# Altium PCB SWDPort.PcbDoc
Units mm, origin at the board's own origin, x right, y up, seen from the top; angles counter-clockwise.
Board outline 20 x 35 mm, 2 copper layers (Top Layer, Bottom Layer); 5 components, 9 nets, 46 pads, 2 vias.
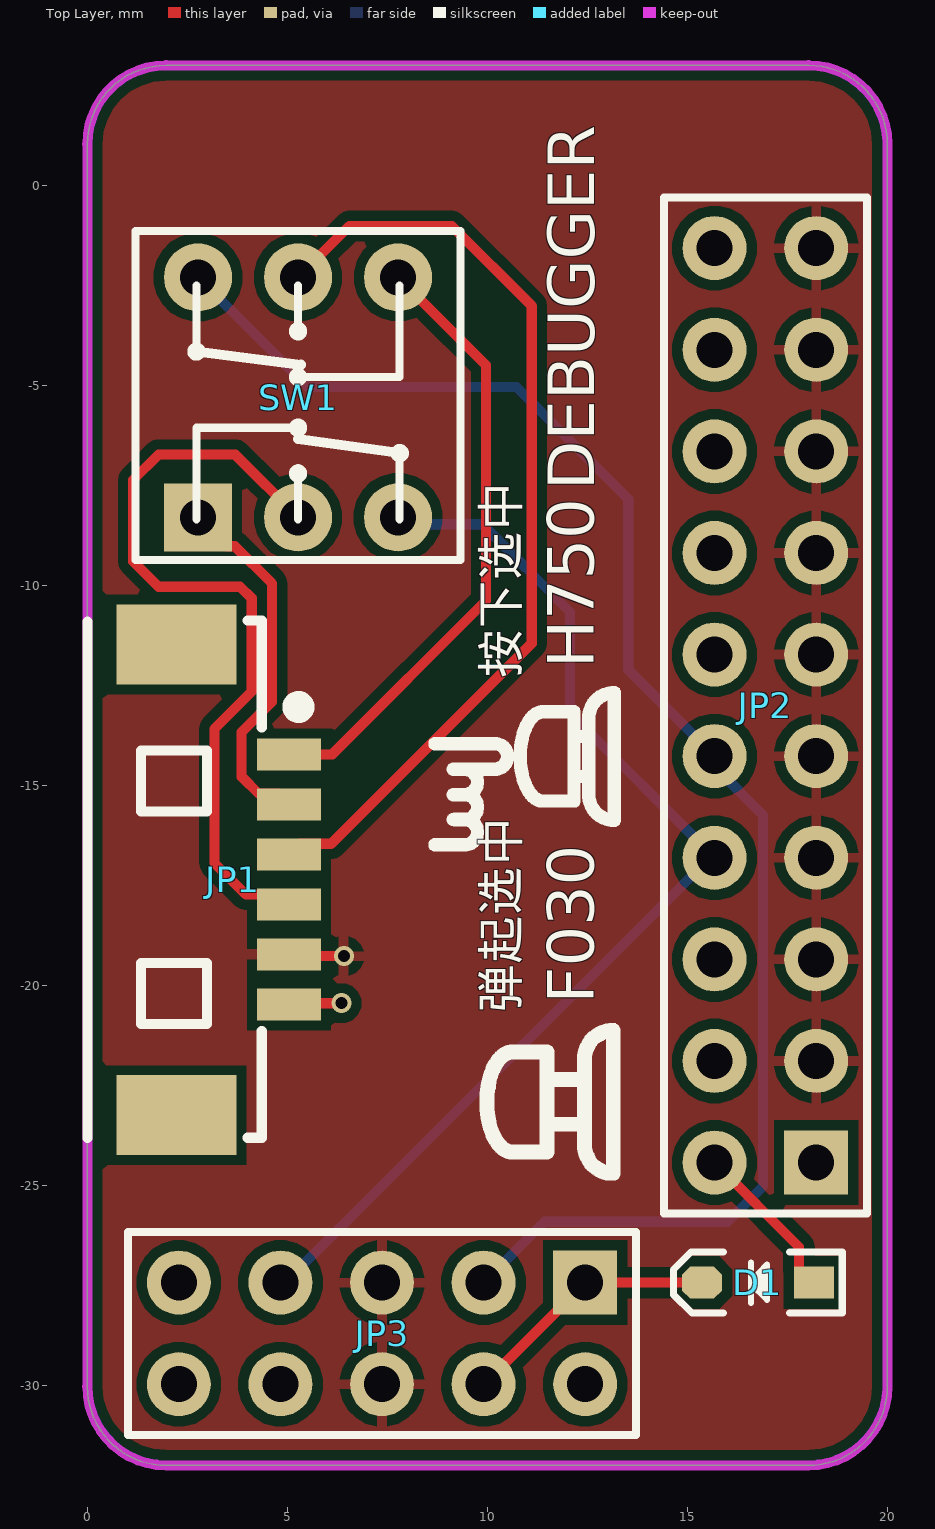
[diagram p0: Top Layer view]
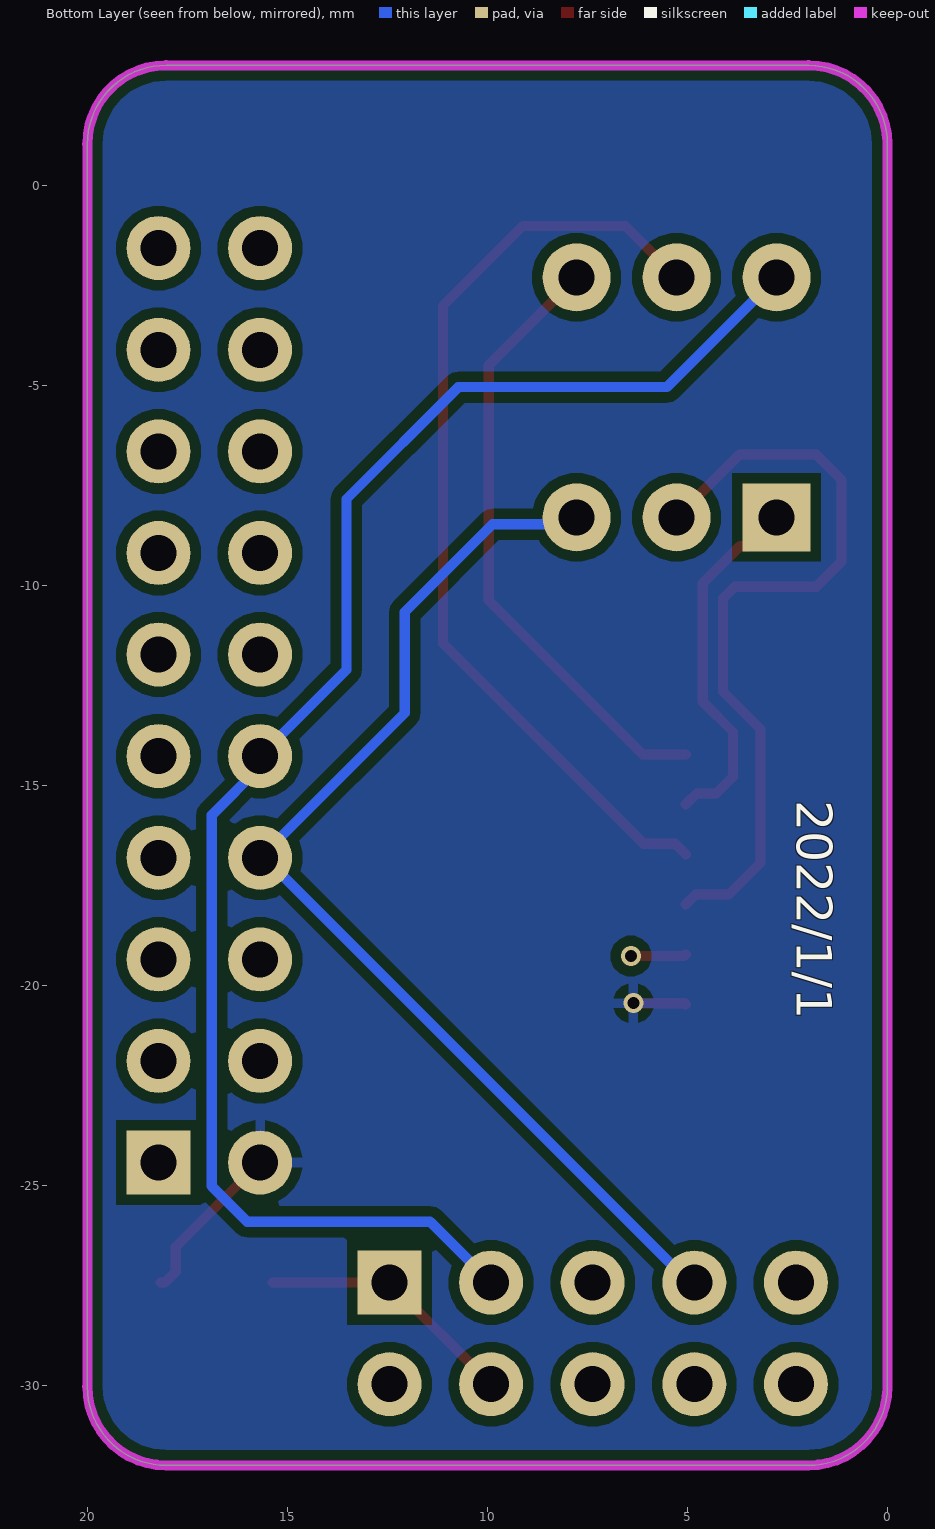
[diagram p1: Bottom Layer view, seen from below]

## Layer stack, top to bottom
Top Solder: solder mask 0.0102, Solder Resist, Dk 3.5
Top Layer: signal copper 0.0356
Dielectric 1: dielectric 0.32, FR-4, Dk 4.8
Bottom Layer: signal copper 0.0356
Bottom Solder: solder mask 0.0102, Solder Resist, Dk 3.5

## Board outline
-0.001,-30.031 ccw(c1.968,-30.031) 1.968,-32.001 18.032,-32 ccw(c18.032,-30.031) 20.001,-30.031 20,1.031 ccw(c18.031,1.032) 18.032,3.001 1.968,3 ccw(c1.968,1.031) -0.001,1.031

## Design rules (kind name [scope] priority, off if disabled: settings)
Clearance [All] p1: gap=0.254 ignorepadtopadclearanceinfootprint=FALSE except(0: Arc-Hole Track-Hole SMDPad-Hole THPad-Hole Via-Hole Fill-Hole Poly-Hole Region-Hole Text-Hole)
PolygonConnect [All] p1: connectstyle=Relief reliefconductorwidth=0.254 reliefentries=4 polygonreliefangle="90 Angle" airgapwidth=0.254
RoomDefinition SWDPort [InComponentClass('SWDPort')] p1: confinementstyle=ConfineIn formatcopy=TRUE lockcomponents=FALSE outline 89.088,-50.003 116.012,-50.003 116.012,-9.998 89.088,-9.998
RoutingVias [All] p1: holewidth=0.711 width=1.27 viastyle="Through Hole" minholewidth=0.711 minwidth=1.27 maxholewidth=0.711 maxwidth=1.27
SolderMaskExpansion [All] p1: expansion=0.102 istentingtop=FALSE
Width [All] p1: maxlimit=0.254 minlimit=0.254 preferedwidth=0.254
30 further rules are at their usual default settings.

## Components (designator, comment, footprint, x,y, rotation, side; value= is the part's Value field where it differs from the comment)
D1 "1N4148" SOD-323 16.764,-27.432 r180 top
JP1 "HDR-1X6" "MX 1.25-WS-6P" 2.228,-17.364 r270 top
JP2 "Header 2X10" HDR2.54-LI-2x10P 16.952,-13 r90 top
JP3 "Header 5X2" HDR2.54-LI-2x5P 7.366,-28.702 r180 top
SW1 "KET 8X8" "KFT DIP-8X8" 5.268,-5.299 r0 top

## Footprints (in the part's own frame and the unit in brackets; to place one, negate y for a bottom-side part, rotate by r counter-clockwise, add the part's x,y. Pads: shape width x height; smd on the part's side, far side on the other; paste and mask are expansions set on the pad)
HDR2.54-LI-2x5P [mm] "双排排针，5x2脚"
  rect 1.6x1.6 hole 0.9: 1(-5.08,-1.27)
  round 1.6 hole 0.9: 2(-5.08,1.27) 3(-2.54,-1.27) 4(-2.54,1.27) 5(0,-1.27) 6(0,1.27) 7(2.54,-1.27) 8(2.54,1.27) 9(5.08,-1.27) 10(5.08,1.27)
  silkscreen extent -6.35,-2.54 6.35,2.54, body extent -6.35,-2.54 6.35,2.54, height 8.5
HDR2.54-LI-2x10P [mm] "双排排针，10x2脚"
  rect 1.6x1.6 hole 0.9: 1(-11.43,-1.27)
  round 1.6 hole 0.9: 2(-11.43,1.27) 3(-8.89,-1.27) 4(-8.89,1.27) 5(-6.35,-1.27) 6(-6.35,1.27) 7(-3.81,-1.27) 8(-3.81,1.27) 9(-1.27,-1.27) 10(-1.27,1.27) 11(1.27,-1.27) 12(1.27,1.27) 13(3.81,-1.27) 14(3.81,1.27) 15(6.35,-1.27) 16(6.35,1.27) 17(8.89,-1.27) 18(8.89,1.27) 19(11.43,-1.27) 20(11.43,1.27)
  silkscreen extent -12.7,-2.54 12.7,2.54, body extent -12.7,-2.54 12.7,2.54, height 8.5
"KFT DIP-8X8" [mm] "自锁开关，规格：8*8mm"
  rect 1.7x1.7 hole 0.9: 1(-2.5,-3)
  round 1.7 hole 0.9: 2(0,-3) 3(2.5,-3) 4(2.5,3) 5(0,3) 6(-2.5,3)
  silkscreen extent -4.06,-4.06 4.06,4.15, body extent -3.95,-3.95 4.05,4.05, height 13.1
"MX 1.25-WS-6P" [mm] "长：12.65mm，宽：4.2mm，高：3.4mm"
  rect 2x3 smd: 0(-5.882,0) 0(5.882,0)
  rect 0.8x1.6 smd: 1(-3.139,2.811) 2(-1.889,2.811) 3(-0.639,2.811) 4(0.611,2.811) 5(1.861,2.811) 6(3.111,2.811)
  silkscreen extent -6.48,-2.23 6.45,3.25, body extent -6.32,-2.1 6.32,3.09, height 3.4
SOD-323 [mm] "1.8x1.3X0.9mm（长宽高，不包括引脚）"
  rect 1x0.8 smd: 1(-1.4,0)
  oct 1x0.8 smd: 2(1.4,0)
  silkscreen extent -2.11,-0.76 2.11,0.76, body extent -1.34,-0.63 1.31,0.67, height 1

## Part data
D1: "开关二极管", BOM名称=高速开关二极管, 优秀评价可免费更新=联系淘宝ID：黄晶宝石，获取更新版封装库, 卖家免费技术支持，联系售后=唯一出售店铺网址https://shop463601444.taobao.com, 封装库 来自淘宝卖家 ID：黄晶宝石=其他店铺购入均为盗版，请立即申请退款
JP1: library part "Header 6", "6P接插件", BOM名称=6P接插件, 学习资源=www.ooocke.com, 版权归属=源创客
JP2: library part "Header 10X2", "10*2P接插件", BOM名称=10*2P接插件, 学习资源=www.ooocke.com, 版权归属=源创客
JP3: "5*2P接插件", BOM名称=5*2P接插件, 学习资源=www.ooocke.com, 版权归属=源创客
SW1: "8*8自锁开关", BOM名称=8*8自锁开关, 学习资源=www.ooocke.com, 版权归属=源创客

## Via types
v1: diameter 0.5, hole 0.3, Top Layer to Bottom Layer, tented both sides, 2 vias

## Nets (pads, with @x,y where several pads share a name; then routed paths per layer and width w, separated by ;. In a path a pad name is that pad's centre, name@x,y a point inside that pad or via, vN(x,y) a via of type N, cw(c..) or ccw(c..) an arc to the next point about the centre after c; other vN are vias at no path point)
3V3: D1.1 JP1.6 JP2.2 | length 5.4
  Top Layer w0.254: JP1.6 5.067,-20.447 v1(6.35,-20.447) ; JP2.2 17.791,-26.539 17.791,-27.159 18.064,-27.432 D1.1
DGND: JP1.5 JP2.3 JP2.5 JP2.7 JP2.9 JP2.11 JP2.13 JP2.15 JP2.17 JP2.19 JP3.5 JP3.6 | length 1.4
  Top Layer w0.254: JP1.5 5.082,-19.269 v1(6.411,-19.269)
F0_SWCLK: JP1.1 SW1.4 | length 15.5
  Top Layer w0.254: JP1.1 6.121,-14.225 9.967,-10.379 9.967,-4.498 SW1.4
F0_SWDIO: JP1.2 SW1.1 | length 9.1
  Top Layer w0.254: SW1.1 3.491,-9.022 3.688,-9.022 4.617,-9.951 4.617,-12.908 3.858,-13.667 3.858,-14.783 4.277,-15.202 4.766,-15.202 JP1.2
H7_SWCLK: JP1.3 SW1.5 | length 23.9
  Top Layer w0.254: JP1.3 5.303,-16.461 6.094,-16.461 11.11,-11.446 11.11,-3.013 9.113,-1.016 6.551,-1.016 SW1.5
H7_SWDIO: JP1.4 SW1.2 | length 19.7
  Top Layer w0.254: JP1.4 4.794,-17.73 3.964,-17.73 3.175,-16.942 3.175,-13.589 4.109,-12.655 4.109,-10.324 3.818,-10.033 1.778,-10.033 1.143,-9.398 1.143,-7.366 1.778,-6.731 3.7,-6.731 SW1.2
NetD1_2: D1.2 JP3.1 JP3.4 | length 6.5
  Top Layer w0.254: JP3.4 JP3.1 D1.2
SWCLK: JP2.10 JP3.3 SW1.6 | length 39.6
  Bottom Layer w0.254: SW1.6 5.514,-5.045 10.729,-5.045 13.523,-7.839 13.523,-12.111 JP2.10 15.682,-14.538 16.891,-15.747 16.891,-25.019 16.002,-25.908 11.43,-25.908 JP3.3
SWDIO: JP2.8 JP3.7 SW1.3 | length 28.2
  Bottom Layer w0.254: JP3.7 4.943,-27.432 15.565,-16.81 JP2.8 12.065,-13.193 12.065,-10.668 9.871,-8.474 7.943,-8.474 SW1.3
pads on no net: JP1.0 JP2.1 JP2.4 JP2.6 JP2.12 JP2.14 JP2.16 JP2.18 JP2.20 JP3.2 JP3.8 JP3.9 JP3.10

## Polygon pours and split planes (outlines as drawn)
DGND on Top Layer "DGND_L01_P000" (solid, remove dead copper, pour order 0): -1.254,4.445 22.225,4.445 22.225,-33.02 -1.423,-33.02
3V3 on Bottom Layer "3V3_L02_P001" (solid, remove dead copper, pour order 1): -1.524,5.461 21.59,5.461 21.59,-34.29 -1.524,-34.29

## Keep-outs
Keep-Out Layer:
  the board outline again, w0.254

## Silkscreen, mask and mechanical layers (free items; w line width, h text height)
Top Overlay:
  drawing of 1419 lines, arcs and shapes, not listed
  text "DEBUGGER" at 13.054,-7.62 h2 r90
  text "H750" at 13.052,-12.078 h2 r90
  text "按下选中" at 11.062,-12.319 h1.52 r90
  text "F030" at 13.052,-20.46 h2 r90
  text "弹起选中" at 11.062,-20.701 h1.52 r90
Bottom Overlay:
  text "2022/1/1" at 2.559,-15.367 h1.52 r90
Mechanical 1:
  lines w0.254: -0.001,1.032 cw(c1.968,1.032) 1.968,3.001 18.032,3 cw(c18.032,1.032) 20.001,1.032 ; 0,1.032 0,-30.099 ccw(c1.901,-30.099) 1.901,-32 18.032,-32 ; 18.032,-32.001 ccw(c18.032,-30.031) 20.001,-30.031 ; 20,-30.031 20,1.032